# Altium PCB Deneigus.PcbDoc (continued)
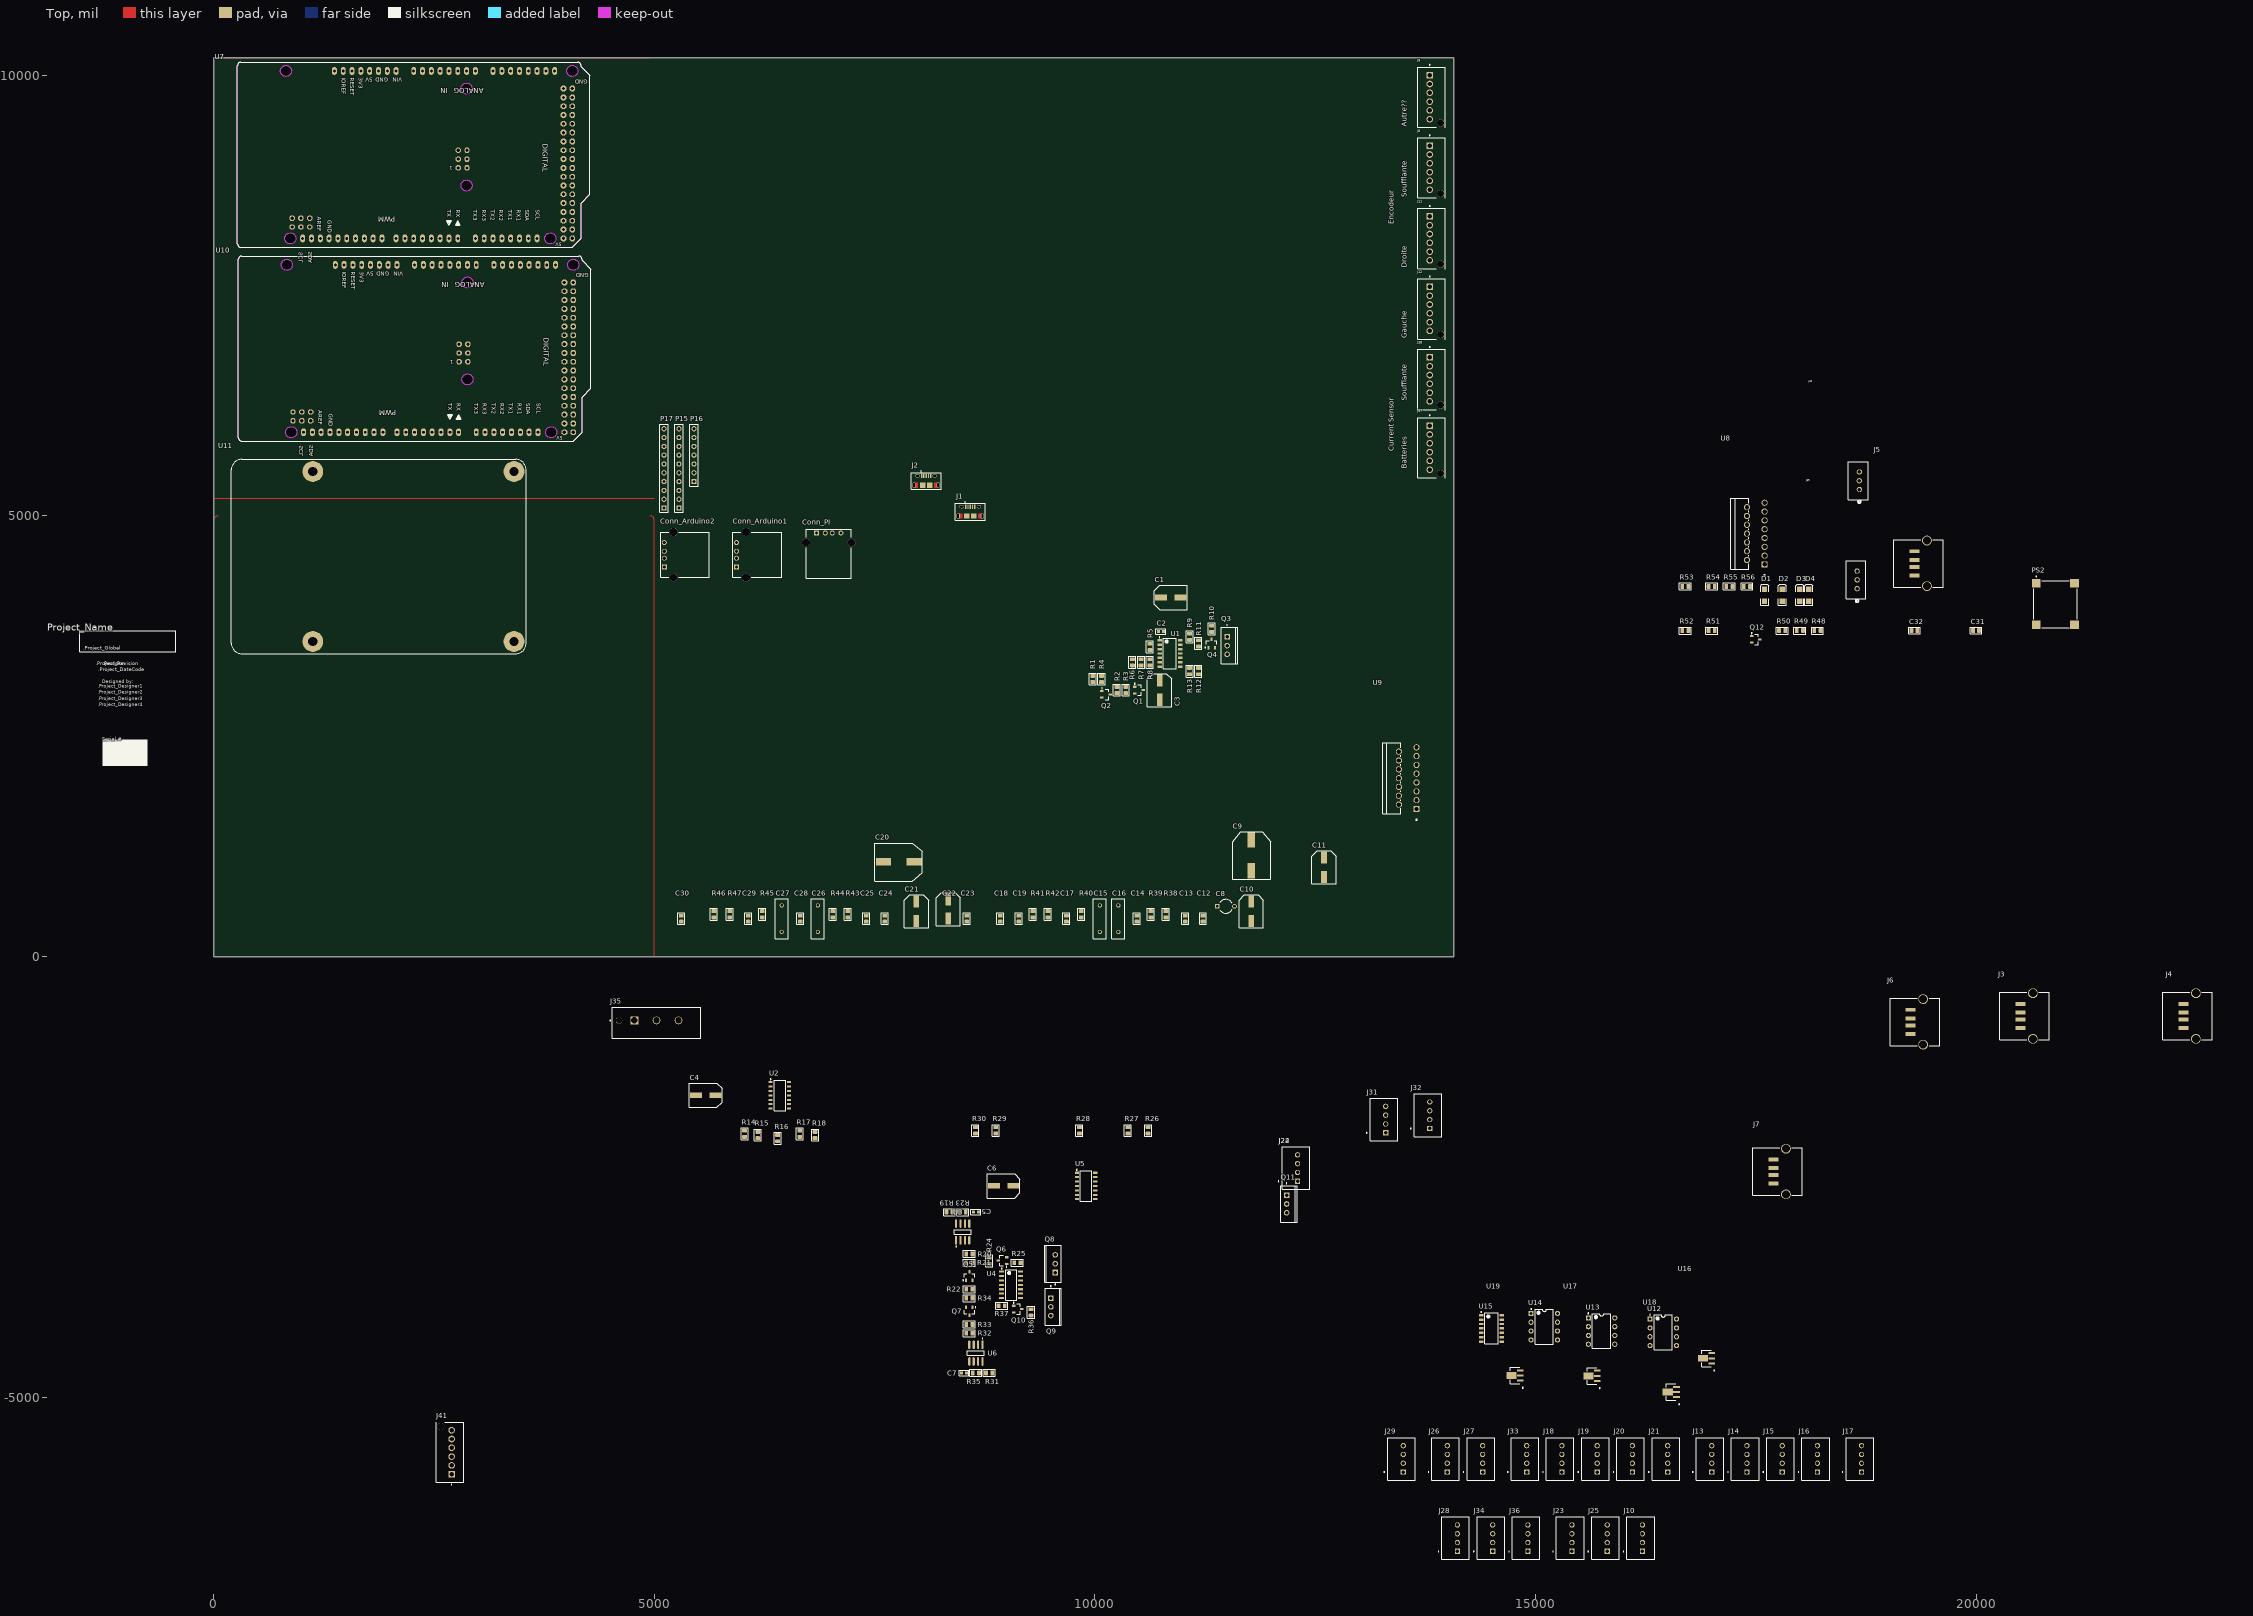
[diagram p0: Top view]
## Components (designator, comment, footprint, x,y, rotation, side; value= is the part's Value field where it differs from the comment)
C1 "CAP ALUM POLY 47UF 20% 16V SMD" 47uF 10970.47,4075 r180 top value=100µF
C2 "CAP - 0603" CAP_0603 10750,3689.5 r180 top value=100nF
C3 "CAP ALUM POLY 47UF 20% 16V SMD" 47uF 10733.86,2914.5 r90 top value=47µF
C4 "CAP ALUM POLY 47UF 20% 16V SMD" 47uF 5475,-1575 r0 top value=47µF
C5 "CAP - 0603" CAP_0603 8650,-2900 r180 top value=100nF
C6 "CAP ALUM POLY 47UF 20% 16V SMD" 47uF 8854.53,-2603.23 r0 top value=47µF
C7 "CAP - 0603" CAP_0603 8514.5,-4725 r0 top value=100nF
C8 "Cap2" CAPR5-4X5 11485.97,570 r0 top value=3300µF
C9 "CAP ALUM POLY 47UF 20% 16V SMD" "330uF (10.3x10.3mm)" 11775,974.61 r90 top value="330 µF"
C10 "CAP ALUM POLY 47UF 20% 16V SMD" 47uF 11775,404.53 r90 top value=100µF
C11 "CAP ALUM POLY 47UF 20% 16V SMD" 47uF 12600,904.53 r90 top value=100µF
C12 "Cap" CAP_0805 11225.97,430 r90 top value=330nF
C13 "Cap" CAP_0805 11025.97,430 r90 top value=2.2µF
C14 "Cap" CAP_0805 10475.97,430 r90 top value=2.2nF
C15 "Cap" RAD-0.3 10055.97,430 r90 top value=22nF
C16 "Cap" RAD-0.3 10265.97,430 r90 top value=22nF
C17 "Cap" CAP_0805 9675.97,430 r90 top value=2.2µF
C18 "Cap" CAP_0805 8925.97,430 r90 top value=2.2µF
C19 "Cap" CAP_0805 9135.97,430 r90 top value=2.2µF
C20 "CAP ALUM POLY 47UF 20% 16V SMD" "330uF (10.3x10.3mm)" 7600,1075 r0 top value="330 µF"
C21 "CAP ALUM POLY 47UF 20% 16V SMD" 47uF 7975,404.53 r90 top value=100µF
C22 "CAP ALUM POLY 47UF 20% 16V SMD" 47uF 8335.97,430 r90 top value=100µF
C23 "Cap" CAP_0805 8545.97,430 r90 top value=330nF
C24 "Cap" CAP_0805 7615.97,430 r90 top value=2.2µF
C25 "Cap" CAP_0805 7405.97,430 r90 top value=2.2nF
C26 "Cap" RAD-0.3 6855.97,430 r90 top value=22nF
C27 "Cap" RAD-0.3 6445.97,430 r90 top value=22nF
C28 "Cap" CAP_0805 6655.97,430 r90 top value=2.2µF
C29 "Cap" CAP_0805 6065.97,430 r90 top value=2.2µF
C30 "Cap" CAP_0805 5305.97,430 r90 top value=2.2µF
C31 "CAP - 0805" CAP_0805 20000,3700 r0 top
C32 "CAP - 0805" CAP_0805 19300,3700 r0 top
Conn_Arduino1 "USB-A1HSW6" OST_USB-A1HSW6 6190,4560 r90 top
Conn_Arduino2 "USB-A1HSW6" OST_USB-A1HSW6 5370,4560 r90 top
Conn_PI "USB-A1HSW6" OST_USB-A1HSW6 6980,4550 r0 top
D1 "LED2" 3.2X1.6X1.1 17600,4100 r90 top
D2 "LED2" 3.2X1.6X1.1 17800,4100 r90 top
D3 "LED2" 3.2X1.6X1.1 18000,4100 r90 top
D4 "LED2" 3.2X1.6X1.1 18100,4100 r90 top
J1 "10118194-0001LF" CON_USB_10118194-0001LF 8585.63,5000 r0 top value="USB - Micro B"
J2 "10118194-0001LF" CON_USB_10118194-0001LF 8085.63,5350 r0 top value="USB - Micro B"
J3 "87583-2010BLF" Conn_USB-87583_AMP 20550,-675 r90 top
J4 "87583-2010BLF" Conn_USB-87583_AMP 22400,-675 r90 top
J5 "87583-2010BLF" Conn_USB-87583_AMP 19348.09,4461.89 r90 top
J6 "87583-2010BLF" Conn_USB-87583_AMP 19306.01,-741.66 r90 top
J7 "87583-2010BLF" Conn_USB-87583_AMP 17748.09,-2439.69 r90 top
J8 "2-644486-6" TE_2-644486-6 13800,9202.16 r270 top
J9 "2-644486-6" TE_2-644486-6 13800,10002.16 r270 top
J10 "2-644861-4" TE_2-644861-4 16214.17,-6600 r90 top
J11 "2-644486-6" TE_2-644486-6 13800,8400 r270 top
J12 "2-644486-6" TE_2-644486-6 13800,7600 r270 top
J13 "2-644861-4" TE_2-644861-4 17000,-5700 r90 top
J14 "2-644861-4" TE_2-644861-4 17400,-5700 r90 top
J15 "2-644861-4" TE_2-644861-4 17800,-5700 r90 top
J16 "2-644861-4" TE_2-644861-4 18200,-5700 r90 top
J17 "2-644861-4" TE_2-644861-4 18700,-5700 r90 top
J18 "2-644861-4" TE_2-644861-4 15300,-5700 r90 top
J19 "2-644861-4" TE_2-644861-4 15700,-5700 r90 top
J20 "2-644861-4" TE_2-644861-4 16100,-5700 r90 top
J21 "2-644861-4" TE_2-644861-4 16500,-5700 r90 top
J22 "2-644861-4" TE_2-644861-4 12300,-2400 r90 top
J23 "2-644861-4" TE_2-644861-4 15414.17,-6600 r90 top
J24 "2-644861-4" TE_2-644861-4 12300,-2400 r90 top
J25 "2-644861-4" TE_2-644861-4 15814.17,-6600 r90 top
J26 "2-644861-4" TE_2-644861-4 14000,-5700 r90 top
J27 "2-644861-4" TE_2-644861-4 14400,-5700 r90 top
J28 "2-644861-4" TE_2-644861-4 14114.17,-6600 r90 top
J29 "2-644861-4" TE_2-644861-4 13500,-5700 r90 top
J31 "2-644861-4" TE_2-644861-4 13300,-1850 r90 top
J32 "2-644861-4" TE_2-644861-4 13800,-1800 r90 top
J33 "2-644861-4" TE_2-644861-4 14900,-5700 r90 top
J34 "2-644861-4" TE_2-644861-4 14514.17,-6600 r90 top
J35 "1-641966-1" TE_1-641966-1 4775,-725 r0 top
J36 "2-644861-4" TE_2-644861-4 14914.17,-6600 r90 top
J37 "2-644486-6" TE_2-644486-6 13800,6025 r270 top
J38 "2-644486-6" TE_2-644486-6 13800,6800 r270 top
J39 "5-103414-1" CONN_5-103414-1_TYCO 18650,4175 r90 top
J40 "5-103414-1" CONN_5-103414-1_TYCO 18675.5,5300 r90 top
J41 "2-644486-6" TE_2-644486-6 2700,-5874.68 r90 top
P15 "Header 10" HDR1X10 5280,5090 r90 top
P16 "Header 7" HDR1X7 5450,5390 r90 top
P17 "Header 10" HDR1X10 5110,5090 r90 top
PS2 "VXO7805-500-M" CONV_VXO7805-500-M 20900,4000 r0 top
Q1 "TRANS PNP 40V 0.2A SOT23" SOT-23 10500,3025 r0 top
Q2 "TRANS NPN 40V 0.2A SOT23" SOT-23 10127.24,2975 r0 top
Q3 "IRF520NPBF" INTR-TO-220AB-3 11500,3529 r0 top
Q4 "TRANS NPN 40V 0.2A SOT23" SOT-23 11325,3554 r90 top
Q5 "TRANS NPN 40V 0.2A SOT23" SOT-23 8575,-3625 r90 top
Q6 "TRANS NPN 40V 0.2A SOT23" SOT-23 8950,-3450 r180 top
Q7 "TRANS NPN 40V 0.2A SOT23" SOT-23 8575,-4025 r270 top
Q8 "IRF520NPBF" INTR-TO-220AB-3 9550,-3485.5 r180 top
Q9 "IRF520NPBF" INTR-TO-220AB-3 9500,-3975 r0 top
Q10 "TRANS NPN 40V 0.2A SOT23" SOT-23 9125,-4000 r0 top
Q11 "IRF520NPBF" INTR-TO-220AB-3 12175,-2807.87 r0 top
Q12 "TRANS NPN 40V 0.2A SOT23" SOT-23 17500,3600 r0 top
R1 "Res1" RES_0805 9975,3150 r90 top value=???
R2 "Res1" RES_0805 10250,3025 r270 top value=1K
R3 "Res1" RES_0805 10350,3025 r90 top value=1K
R4 "Res1" RES_0805 10075,3150 r270 top value=???
R5 "Res1" RES_0805 10625,3514.5 r270 top value=1K
R6 "Res1" RES_0805 10425,3339.5 r270 top value=15K
R7 "Res1" RES_0805 10525,3339.5 r270 top value=1K
R8 "Res1" RES_0805 10625,3339.5 r90 top value=???
R9 "Res1" RES_0805 11075,3629 r90 top value=1K
R10 "Res1" RES_0805 11325,3718.5 r90 top value=10K
R11 "Res1" RES_0805 11175,3554 r270 top value=10K
R12 "Res1" RES_0805 11175,3239.5 r270 top value=30k
R13 "Res1" RES_0805 11075,3239.5 r90 top value=10k
R14 "Res1" RES_0805 6025,-2010.5 r90 top value=15K
R15 "Res1" RES_0805 6175,-2025 r90 top value=10K
R16 "Res1" RES_0805 6400,-2060.5 r90 top value=15K
R17 "Res1" RES_0805 6650,-2010.5 r90 top value=9K
R18 "Res1" RES_0805 6825,-2025 r90 top value=1K
R19 "Res1" RES_0805 8350,-2900 r180 top value=3K
R20 "Res1" RES_0805 8575,-3375 r0 top value=1k
R21 "Res1" RES_0805 8575,-3475 r0 top value=1k
R22 "Res1" RES_0805 8575,-3775 r0 top value=1k
R23 "Res1" RES_0805 8500,-2900 r180 top value=3K
R24 "Res1" RES_0805 8800,-3450 r90 top value=1k
R25 "Res1" RES_0805 9119.49,-3475 r180 top value=220
R26 "Res1" RES_0805 10604.53,-1973.23 r90 top value=10K
R27 "Res1" RES_0805 10374.53,-1973.23 r90 top value=15K
R28 "Res1" RES_0805 9824.53,-1973.23 r90 top value=15K
R29 "Res1" RES_0805 8874.53,-1973.23 r90 top value=9K
R30 "Res1" RES_0805 8644.53,-1973.23 r90 top value=1K
R31 "Res1" RES_0805 8800,-4725 r0 top value=3K
R32 "Res1" RES_0805 8575,-4275 r180 top value=1k
R33 "Res1" RES_0805 8575,-4175 r180 top value=1k
R34 "Res1" RES_0805 8575,-3875 r0 top value=1k
R35 "Res1" RES_0805 8650,-4725 r0 top value=3K
R36 "Res1" RES_0805 9275,-4037.4 r270 top value=1k
R37 "Res1" RES_0805 8942.72,-3962.6 r0 top value=220
R38 "Res1" RES_0805 10805.97,480 r90 top value=16.2k
R39 "Res1" RES_0805 10635.97,480 r90 top value=4.53k
R40 "Res1" RES_0805 9845.97,480 r90 top value=30.1k
R41 "Res1" RES_0805 9295.97,480 r90 top value=10k
R42 "Res1" RES_0805 9465.97,480 r90 top value=10k
R43 "Res1" RES_0805 7195.97,480 r90 top value=16.2k
R44 "Res1" RES_0805 7025.97,480 r90 top value=1.69k
R45 "Res1" RES_0805 6225.97,480 r90 top value=30.1k
R46 "Res1" RES_0805 5675.97,480 r90 top value=15k
R47 "Res1" RES_0805 5855.97,480 r90 top value=10k
R48 "Res1" RES_0805 18200,3700 r0 top value=1K
R49 "Res1" RES_0805 18000,3700 r0 top value=10K
R50 "Res1" RES_0805 17800,3700 r0 top value=1K
R51 "Res1" RES_0805 17000,3700 r0 top value=10K
R52 "Res1" RES_0805 16700,3700 r0 top value=10K
R53 "Res1" RES_0805 16700,4200 r0 top value=150
R54 "Res1" RES_0805 17000,4200 r0 top value=150
R55 "Res1" RES_0805 17200,4200 r0 top value=84.5
R56 "Res1" RES_0805 17400,4200 r0 top value=84.5
U1 "LM339" SOP14 10850,3439.5 r0 top
U2 "LM324DR2G" ONSC-SOIC-14-751A-03_V 6425,-1575 r0 top
U3 "NE555DR" FP-D0008A-IPC_A 8500,-3125 r90 top
U4 "IC FF JK TYPE DUAL 1BIT 14SOIC" SOIC127P600X175-14N 9050,-3725 r0 top
U5 "LM324DR2G" ONSC-SOIC-14-751A-03_V 9899.8,-2603.23 r0 top
U6 "NE555DR" FP-D0008A-IPC_A 8650,-4500 r270 top
U7 "Arduino_Mega" Arduino_Mega 270,8043.7 r0 top
U8 "L4970A" Multiwatt15_V_STM 17600,4450 r90 top
U9 "L4970A" Multiwatt15_V_STM 13650,1675 r90 top
U10 "Arduino_Mega" Arduino_Mega 279.85,5843.7 r0 top
U11 "Raspberry PI 4" "Raspberry Pi 4" 3408.46,5504.13 r180 top
U12 "ILD74" VISH-DIP8 16450,-4264.17 r0 top
U13 "ILD74" VISH-DIP8 15750,-4250 r0 top
U14 "ILD74" VISH-DIP8 15100,-4200 r0 top
U15 "LM339" SOP14 14500,-4219.68 r0 top
U16 "ZXMN6A07ZTA" SOT4_DXT2222A_DIO 16940.5,-4559 r90 top
U17 "ZXMN6A07ZTA" SOT4_DXT2222A_DIO 15640.5,-4759 r90 top
U18 "ZXMN6A07ZTA" SOT4_DXT2222A_DIO 16540.5,-4941 r90 top
U19 "ZXMN6A07ZTA" SOT4_DXT2222A_DIO 14766.47,-4754 r90 top

## Footprints (in the part's own frame and the unit in brackets; to place one, negate y for a bottom-side part, rotate by r counter-clockwise, add the part's x,y. Pads: shape width x height; smd on the part's side, far side on the other; paste and mask are expansions set on the pad)
3.2X1.6X1.1 [mm] "SMT LED; 2 Flat Leads"
  rect 1.5x1.5 smd: 1(-1.75,0) 2(1.75,0)
  silkscreen extent -2.9,-1.15 3.2,1.15
47uF [mm] "CAP ALUM POLY 47UF 20% 16V SMD"
  rect 3.5x1.6 all layers, no hole: 1(5.6,0) 2(0,0)
  silkscreen extent -2,-3.5 7.5,3.5
"330uF (10.3x10.3mm)" [mm]
  rect 4.4x2.2 all layers, no hole: 1(8.9,0) 2(0,0)
  silkscreen extent -2.5,-5.6 11.2,5.4
Arduino_Mega [mil]
  oval 56x89.6 hole 33.46: 1(1100,2006.3) 2(1200,2006.3) 3(1300,2006.3) 4(1400,2006.3) 5(1500,2006.3) 6(1600,2006.3) 7(1700,2006.3) 8(1800,2006.3) 9(2000,2006.3) 10(2100,2006.3) 11(2200,2006.3) 12(2300,2006.3) 13(2400,2006.3) 14(2500,2006.3) 15(2600,2006.3) 16(2700,2006.3) 17(2900,2006.3) 18(3000,2006.3) 19(3100,2006.3) 20(3200,2006.3) 21(3300,2006.3) 22(3400,2006.3) 23(3500,2006.3) 24(3600,2006.3) 61(3400,106.3) 62(3300,106.3) 63(3200,106.3) 64(3100,106.3) 65(3000,106.3) 66(2900,106.3) 67(2800,106.3) 68(2700,106.3) 69(2500,106.3) 70(2400,106.3) 71(2300,106.3) 72(2200,106.3) 73(2100,106.3) 74(2000,106.3) 75(1900,106.3) 76(1800,106.3) 77(1640,106.3) 78(1540,106.3) 79(1440,106.3) 80(1340,106.3) 81(1240,106.3) 82(1140,106.3) 83(1040,106.3) 84(940,106.3) 85(840,106.3) 86(740,106.3)
  oct 66x66 / inner round 60.98 / far side oct 66x66 hole 37.4: 25(3700,106.3) 26(3800,106.3) 27(3700,206.3) 28(3800,206.3) 29(3700,306.3) 30(3800,306.3) 31(3700,406.3) 32(3800,406.3) 33(3700,506.3) 34(3800,506.3) 35(3700,606.3) 36(3800,606.3) 37(3700,706.3) 38(3800,706.3) 39(3700,806.3) 40(3800,806.3) 41(3700,906.3) 42(3800,906.3) 43(3700,1006.3) 44(3800,1006.3) 45(3700,1106.3) 46(3800,1106.3) 47(3700,1206.3) 48(3800,1206.3) 49(3700,1306.3) 50(3800,1306.3) 51(3700,1406.3) 52(3800,1406.3) 53(3700,1506.3) 54(3800,1506.3) 55(3700,1606.3) 56(3800,1606.3) 57(3700,1706.3) 58(3800,1706.3) 59(3700,1806.3) 60(3800,1806.3)
  oct 61.02x61.02 / inner round 56.38 / far side oct 61.02x61.02 hole 37.4: 87(820,236.3) 88(820,336.3) 89(720,236.3) 90(720,336.3) 91(620,236.3) 92(620,336.3) 93(2505,906.3) 94(2605,906.3) 95(2505,1006.3) 96(2605,1006.3) 97(2505,1106.3) 98(2605,1106.3)
  round 125.98 hole 125.98 unplated: MH1(3800,2006.3) MH2(600,106.3) MH3(3550,106.3) MH4(550,2006.3) MH5(2600,706.3) MH6(2600,1806.3)
  Top lines w8: 940,106.3 940,136.3 ; 1240,106.3 1250,131.3 ; 1540,106.3 1540,131.3 ; 1795,106.3 1800,106.3 ; 2300,106.3 2300,116.3 ; 2400,106.3 2400,116.3 ; 3670,206.3 3700,206.3
  Bottom lines w8: 2300,1982.3 2304,1986.3 2304,1994.3 2300,1998.3 2300,2006.3 ; 2400,2006.3 2400,2010.3
  Bottom lines w32: 3690,1796.3 3700,1806.3
  Bottom lines w50: 820,336.3 825,341.3
  Keep-Out Layer board cut-out: 600,169.29 624.11,164.49 644.54,150.84 658.2,130.4 662.99,106.3 662.99,106.3 658.2,82.19 644.54,61.76 624.11,48.1 600,43.31 600,43.31 575.89,48.1 555.46,61.76 541.8,82.19 537.01,106.3 537.01,106.3 541.8,130.4 555.46,150.84 575.89,164.49 600,169.29
  Keep-Out Layer board cut-out: 2600,769.29 2624.11,764.49 2644.54,750.84 2658.2,730.4 2662.99,706.3 2662.99,706.3 2658.2,682.19 2644.54,661.76 2624.11,648.1 2600,643.31 2600,643.31 2575.89,648.1 2555.46,661.76 2541.8,682.19 2537.01,706.3 2537.01,706.3 2541.8,730.4 2555.46,750.84 2575.89,764.49 2600,769.29
  Keep-Out Layer board cut-out: 3550,169.29 3574.11,164.49 3594.54,150.84 3608.2,130.4 3612.99,106.3 3612.99,106.3 3608.2,82.19 3594.54,61.76 3574.11,48.1 3550,43.31 3550,43.31 3525.89,48.1 3505.46,61.76 3491.8,82.19 3487.01,106.3 3487.01,106.3 3491.8,130.4 3505.46,150.84 3525.89,164.49 3550,169.29
  Keep-Out Layer board cut-out: 550,2069.29 574.11,2064.49 594.54,2050.84 608.2,2030.4 612.99,2006.3 612.99,2006.3 608.2,1982.19 594.54,1961.76 574.11,1948.1 550,1943.31 550,1943.31 525.89,1948.1 505.46,1961.76 491.8,1982.19 487.01,2006.3 487.01,2006.3 491.8,2030.4 505.46,2050.84 525.89,2064.49 550,2069.29
  Keep-Out Layer board cut-out: 2600,1869.29 2624.11,1864.49 2644.54,1850.84 2658.2,1830.4 2662.99,1806.3 2662.99,1806.3 2658.2,1782.19 2644.54,1761.76 2624.11,1748.1 2600,1743.31 2600,1743.31 2575.89,1748.1 2555.46,1761.76 2541.8,1782.19 2537.01,1806.3 2537.01,1806.3 2541.8,1830.4 2555.46,1850.84 2575.89,1864.49 2600,1869.29
  Keep-Out Layer board cut-out: 3800,2069.29 3824.11,2064.49 3844.54,2050.84 3858.2,2030.4 3862.99,2006.3 3862.99,2006.3 3858.2,1982.19 3844.54,1961.76 3824.11,1948.1 3800,1943.31 3800,1943.31 3775.89,1948.1 3755.46,1961.76 3741.8,1982.19 3737.01,2006.3 3737.01,2006.3 3741.8,2030.4 3755.46,2050.84 3775.89,2064.49 3800,2069.29
  Keep-Out Layer lines w10: 0,45.67 ccw(c39.37,45.67) 39.37,6.3 3800,6.3 3900,106.3 3900,506.3 4000,606.3 4000,1956.3 3900,2056.3 3900,2066.93 ccw(c3860.63,2066.93) 3860.63,2106.3 39.37,2106.3 ccw(c39.37,2066.93) 0,2066.93 0,45.67
  silkscreen extent 0,6 4000,2106, body extent -266,1 3998,2099, height 572
CAP_0603 [mil]
  rrect35% 35x34 smd: 1(-29.5,0) 2(29.5,0)
  silkscreen extent -57,-30 57,30, body extent -32,-16 31,16, height 35
CAP_0805 [mil]
  rrect37% 43x55 smd: 1(-33.5,0) 2(33.5,0)
  silkscreen extent -66,-38 66,38, body extent -39,-24 40,25, height 49
CAPR5-4X5 [mm] "Capacitor; 2 Leads"
  rect 1.35x1.35 hole 0.8: 1(-2.5,0)
  round 1.35 hole 0.8: 2(2.5,0)
  silkscreen extent -1.69,-2 1.82,2
CON_USB_10118194-0001LF [mm]
  rrect50% 0.4x1.35 smd paste+0 mask+0.05: 1(-1.3,2.7) 2(-0.65,2.7) 3(0,2.7) 4(0.65,2.7) 5(1.3,2.7)
  rrect100% 1.25x0.95 hole 0.55 slot 0.85 at 0 deg mask+0.05: 6(2.5,2.7) 11(-2.5,2.7)
  rrect100% 0.95x1.55 hole 0.5 slot 1.15 at 90 deg mask+0.05: 7(3.5,0) 10(-3.5,0)
  rect 1.5x1.55 smd paste+0 mask+0.05: 8(1,0) 9(-1,0)
  Top region: 2.3,-0.775 3.5,-0.775 3.5,0.775 2.3,0.775
  Top region: -2.3,0.775 -3.5,0.775 -3.5,-0.775 -2.3,-0.775
  silkscreen extent -4.3,-1.2 4.3,4.11, body extent -4.03,-2.69 4.02,2.89, height 2.72
CONN_5-103414-1_TYCO [mil]
  round 60 hole 40 mask+0: 1(0,0) 2(100,0) 3(200,0)
  silkscreen extent -155,-99 315,125, body extent 0,0 10,10, height 10
Conn_USB-87583_AMP [mm]
  rect 1.12x2.88 smd: 1(-3.492,1.221) 2(-0.992,1.221) 3(1.008,1.221) 4(3.508,1.221)
  round 2.819 hole 2.311: 6(-6.562,-2.387) 7(6.578,-2.387)
  silkscreen extent -6.84,-7.11 6.86,7.14, body extent 0,0 0.25,0.25, height 0.25
CONV_VXO7805-500-M [mm]
  rect 2.5x2.5 smd: 1(-5.5,6) 2(5.5,6) 3(5.5,-6) 4(-5.5,-6)
  silkscreen extent -6.25,-6.75 6.25,8.1, body extent -6.25,-6.75 6.25,6.75, height 2.1
FP-D0008A-IPC_A [mil]
  rect 97.21x24.49 smd paste+0 mask+0: 1(-95.02,75)
  rrect100% 97.21x24.49 smd paste+0 mask+0: 2(-95.02,25) 3(-95.02,-25) 4(-95.02,-75) 5(95.02,-75) 6(95.02,-25) 7(95.02,25) 8(95.02,75)
  silkscreen extent -170,-97 27,97, body extent -163,-116 163,116, height 10
HDR1X7 [mm] "Connector; Header; 7 Position"
  rect 1.5x1.5 hole 0.9: 1(0,0)
  round 1.5 hole 0.9: 2(2.54,0) 3(5.08,0) 4(7.62,0) 5(10.16,0) 6(12.7,0) 7(15.24,0)
  silkscreen extent -1.27,-1.27 16.51,1.27
HDR1X10 [mm] "Connector; Header; 10 Position"
  rect 1.5x1.5 hole 0.9: 1(0,0)
  round 1.5 hole 0.9: 2(2.54,0) 3(5.08,0) 4(7.62,0) 5(10.16,0) 6(12.7,0) 7(15.24,0) 8(17.78,0) 9(20.32,0) 10(22.86,0)
  silkscreen extent -1.27,-1.27 24.13,1.27
INTR-TO-220AB-3 [mm] "FM, 3-Leads, Body 10.55x4.7mm, Pitch 2.54mm"
  rect 1.6x1.6 hole 1: 1(0,2.54)
  round 1.6 hole 1: 2(0,0) 3(0,-2.54)
  silkscreen extent -1.67,-5.3 3.03,6.07, body extent -1.67,-5.28 3.03,5.28, height 19.3
Multiwatt15_V_STM [mil]
  rect 70x70 hole 50 mask+0: 1(0,0)
  round 70 hole 50 mask+0: 2(50,200) 3(100,0) 4(150,200) 5(200,0) 6(250,200) 7(300,0) 8(350,200) 9(400,0) 10(450,200) 11(500,0) 12(550,200) 13(600,0) 14(650,200) 15(700,0)
  silkscreen extent -130,-8 752,386, body extent 0,0 10,10, height 10
ONSC-SOIC-14-751A-03_V [mm] "SOIC, 14-Leads, Body 8.75x4mm, Pitch 1.27mm"
  rect 1.18x0.58 smd: 1(-2.66,3.81) 2(-2.66,2.54) 3(-2.66,1.27) 4(-2.66,0) 5(-2.66,-1.27) 6(-2.66,-2.54) 7(-2.66,-3.81) 8(2.66,-3.81) 9(2.66,-2.54) 10(2.66,-1.27) 11(2.66,0) 12(2.66,1.27) 13(2.66,2.54) 14(2.66,3.81)
  silkscreen extent -2.78,-4.38 1.67,4.77, body extent -2,-4.38 2,4.38, height 1.75
OST_USB-A1HSW6 [mm]
  rect 1.428x1.428 hole 0.92: 1(-3.5,6.51)
  round 1.428 hole 0.92: 2(-1,6.51) 3(1,6.51) 4(3.5,6.51)
  round 2.3 hole 2.3 unplated: ""(-6.57,3.8) ""(6.57,3.8)
  silkscreen extent -6.55,-6.5 6.55,7.6
RAD-0.3 [mm] "Radial Cap, Thru-Hole; 2 Leads; 0.3 in Pin Spacing"
  round 1.2 hole 0.7: 1(-3.81,0) 2(3.81,0)
  silkscreen extent -5.71,-1.91 5.71,1.91
"Raspberry Pi 4" [mm]
  round 6 hole 2.7: 0(0,49) 0(0,0) 0(58,49) 0(58,0)
  silkscreen extent -3.5,-3.5 81.5,52.5, body extent -3.5,-5.9 85.49,52.5, height 17
RES_0805 [mil]
  rrect37% 43x55 smd: 1(-35.5,0) 2(35.5,0)
  silkscreen extent -68,-40 68,40, body extent -45,-27 45,27, height 30
SOIC127P600X175-14N [mm] "SOIC, 14-Leads, Body 8.65x3.90mm, Pitch 1.27mm, IPC Medium Density"
  rect 1.45x0.6 smd: 1(-2.725,3.81) 2(-2.725,2.54) 3(-2.725,1.27) 4(-2.725,0) 5(-2.725,-1.27) 6(-2.725,-2.54) 7(-2.725,-3.81) 8(2.725,-3.81) 9(2.725,-2.54) 10(2.725,-1.27) 11(2.725,0) 12(2.725,1.27) 13(2.725,2.54) 14(2.725,3.81)
  silkscreen extent -2.85,-4.4 1.6,4.78, body extent -3,-4.4 3,4.4, height 1.75
SOP14 [mm] "SOP14 pour LM339"
  rect 1.3x0.7 smd: 1(-2.95,3.81) 2(-2.95,2.54) 3(-2.95,1.27) 4(-2.95,0) 5(-2.95,-1.27) 6(-2.95,-2.54) 7(-2.95,-3.81) 8(2.95,-3.81) 9(2.95,-2.54) 10(2.95,-1.27) 11(2.95,0) 12(2.95,1.27) 13(2.95,2.54) 14(2.95,3.81)
  silkscreen extent -3.07,-4.45 1.9,4.83, body extent -3.1,-4.45 3.1,4.45, height 1.5
SOT4_DXT2222A_DIO [mil]
  rect 23x75 smd paste+0 mask+0: 1(-59,-59.5) 2(0,-59.5) 3(59,-59.5)
  rect 76x115 smd paste+0 mask+0: 4(0,39.5)
  silkscreen extent -143,-94 94,54, body extent 0,0 10,10, height 10
SOT-23 [mm] "SOT23, 3-Leads, Body 2.90x2.45mm, Pitch 0.95mm, IPC Medium Density"
  rect 1x0.6 smd: 1(-1.2,0.95) 2(-1.2,-0.95) 3(1.2,0)
  silkscreen extent -1.32,-1.5 0.7,1.92, body extent -0.7,-1.5 0.7,1.5, height 1.1
TE_1-641966-1 [mm]
  rect 2.21x2.21 hole 1.86: 1(0,0)
  round 2.21 hole 1.86: 2(6.35,0) 3(12.7,0)
  round 1.86 hole 1.86 unplated: ""(-4.45,0)
  silkscreen extent -7.1,-5.08 19.05,3.81
TE_2-644486-6 [mm]
  rect 1.905x1.905 hole 1.27: 1(0,0)
  round 1.905 hole 1.27: 2(2.54,0) 3(5.08,0) 4(7.62,0) 5(10.16,0) 6(12.7,0)
  round 2.06 hole 2.06 unplated: ""(13.77,3.15)
  silkscreen extent -3.1,-3.48 15.04,4.47
TE_2-644861-4 [mil]
  rect 60x60 hole 40: 1(-150,0)
  round 60 hole 40: 2(-50,0) 3(50,0) 4(150,0)
  silkscreen extent -242,-137 242,219, body extent -242,-136 242,177, height 410
VISH-DIP8 [mm] "DIP, 8-Leads, Body 9.9x6.8mm, Pitch 2.54mm"
  rect 1.5x1.5 hole 0.9: 1(-3.81,3.81)
  round 1.5 hole 0.9: 2(-3.81,1.27) 3(-3.81,-1.27) 4(-3.81,-3.81) 5(3.81,-3.81) 6(3.81,-1.27) 7(3.81,1.27) 8(3.81,3.81)
  silkscreen extent -3.93,-5 2.65,5.23, body extent -3.95,-4.95 3.95,4.95, height 4.58


## Text inside footprints (layer, text, board x,y; h text height)
U10: Top Overlay "TX" at 2661.74,6276.77 h47.6 r270; Top Overlay "TX2" at 3153.86,6276.77 h47.6 r270; Top Overlay "RX2" at 3252.29,6276.77 h47.6 r270; Top Overlay "TX1" at 3350.71,6276.77 h47.6 r270; Top Overlay "RX1" at 3449.14,6276.77 h47.6 r270; Top Overlay "SDA" at 3547.56,6276.77 h47.6 r270; Top Overlay "RX3" at 3055.44,6276.77 h47.6 r270; Top Overlay "TX3" at 2957.01,6276.77 h47.6 r270; Top Overlay "DIGITAL" at 3744.41,7024.8 h56.1 r270; Top Overlay "GND" at 4256.22,7753.15 h47.6 r180; Top Overlay "ANALOG   IN" at 3075.12,7654.72 h56.1 r180; Top Overlay "1" at 2720.79,6768.9 h42.5 r180; Top Overlay "PWM" at 2071.18,6198.03 h56.1 r180; Top Overlay "RX" at 2760.16,6276.77 h47.6 r270; Top Overlay "SCL" at 1018.68,5795.52 h47.6 r90; Top Overlay "AREF" at 1185.36,6198.03 h47.6 r270; Top Overlay "GND" at 1303.47,6158.66 h47.6 r270; Top Overlay "SDA" at 1128.68,5800.52 h47.6 r90; Top Overlay "SCL" at 3665.67,6276.77 h47.6 r270; Top Overlay "5V" at 3960.95,5902.76 h37.4 r180; Top Overlay "5V" at 1815.28,7772.83 h47.6 r180; Top Overlay "VIN" at 2149.92,7772.83 h47.6 r180; Top Overlay "GND" at 1992.44,7772.83 h47.6 r180; Top Overlay "IOREF" at 1460.95,7772.83 h47.6 r270; Top Overlay "3V3" at 1657.8,7772.83 h47.6 r270; Top Overlay "RESET" at 1559.37,7772.83 h47.6 r270; Bottom Assembly (Mech20) "ON" at 3144.85,6460 h42.5 r180; Bottom Assembly (Mech20) "RX" at 1454.85,6625 h42.5 r180; Bottom Assembly (Mech20) "TX" at 1454.85,6535 h42.5 r180; Bottom Assembly (Mech20) "L" at 1474.85,6320 h42.5 r180; Bottom Assembly (Mech20) "PC2" at 1224.85,7605 h42.5 r180; Bottom Assembly (Mech20) "PC1" at 949.85,7610 h42.5 r180; Bottom Assembly (Mech20) "PC1" at 949.85,7610 h42.5 r180; Bottom Assembly (Mech20) "PC2" at 1224.85,7605 h42.5 r180; Bottom Assembly (Mech20) "L" at 1474.85,6320 h42.5 r180; Bottom Assembly (Mech20) "TX" at 1454.85,6535 h42.5 r180; Bottom Assembly (Mech20) "RX" at 1454.85,6625 h42.5 r180; Bottom Assembly (Mech20) "ON" at 3144.85,6460 h42.5 r180; Route Tool Path "52" at 3829.85,7575 h47.6 r180; Route Tool Path "50" at 3829.85,7475 h47.6 r180; Route Tool Path "48" at 3829.85,7375 h47.6 r180; Route Tool Path "46" at 3829.85,7275 h47.6 r180; Route Tool Path "34" at 3829.85,6675 h47.6 r180; Route Tool Path "36" at 3829.85,6775 h47.6 r180; Route Tool Path "30" at 3829.85,6475 h47.6 r180; Route Tool Path "32" at 3829.85,6575 h47.6 r180; Route Tool Path "38" at 3829.85,6875 h47.6 r180; Route Tool Path "40" at 3829.85,6975 h47.6 r180; Route Tool Path "44" at 3829.85,7175 h47.6 r180; Route Tool Path "42" at 3829.85,7075 h47.6 r180; Route Tool Path "37" at 4154.85,6775 h47.6 r180; Route Tool Path "35" at 4154.85,6675 h47.6 r180; Route Tool Path "33" at 4154.85,6575 h47.6 r180; Route Tool Path "31" at 4154.85,6475 h47.6 r180; Route Tool Path "51" at 4154.85,7475 h47.6 r180; Route Tool Path "53" at 4154.85,7575 h47.6 r180; Route Tool Path "45" at 4154.85,7175 h47.6 r180; Route Tool Path "49" at 4154.85,7375 h47.6 r180; Route Tool Path "43" at 4154.85,7075 h47.6 r180; Route Tool Path "39" at 4154.85,6875 h47.6 r180; Route Tool Path "41" at 4154.85,6975 h47.6 r180; Route Tool Path "47" at 4154.85,7275 h47.6 r180; Route Tool Path "7" at 2104.85,6075 h47.6 r90; Route Tool Path "6" at 2204.85,6075 h47.6 r90; Route Tool Path "5" at 2304.85,6075 h47.6 r90; Route Tool Path "3" at 2504.85,6075 h47.6 r90; Route Tool Path "0" at 2804.85,6075 h47.6 r90; Route Tool Path "1" at 2704.85,6075 h47.6 r90; Route Tool Path "2" at 2604.85,6075 h47.6 r90; Route Tool Path "4" at 2404.85,6075 h47.6 r90; Route Tool Path "28" at 3829.85,6375 h47.6 r180; Route Tool Path "26" at 3829.85,6275 h47.6 r180; Route Tool Path "24" at 3829.85,6175 h47.6 r180; Route Tool Path "22" at 3829.85,6075 h47.6 r180; Route Tool Path "2" at 2509.85,7765 h47.6 r90; Route Tool Path "3" at 2609.85,7765 h47.6 r90; Route Tool Path "0" at 2309.85,7765 h47.6 r90; Route Tool Path "1" at 2399.85,7765 h47.6 r90; Route Tool Path "19" at 3504.85,6110 h47.6 r90; Route Tool Path "20" at 3604.85,6110 h47.6 r90; Route Tool Path "17" at 3304.85,6110 h47.6 r90; Route Tool Path "21" at 3704.85,6110 h47.6 r90; Route Tool Path "18" at 3404.85,6110 h47.6 r90; Route Tool Path "16" at 3204.85,6110 h47.6 r90; Route Tool Path "15" at 3104.85,6110 h47.6 r90; Route Tool Path "14" at 3004.85,6110 h47.6 r90; Route Tool Path "8" at 1954.85,6075 h47.6 r90; Route Tool Path "13" at 1454.85,6125 h47.6 r90; Route Tool Path "12" at 1554.85,6125 h47.6 r90; Route Tool Path "11" at 1654.85,6125 h47.6 r90; Route Tool Path "9" at 1854.85,6075 h47.6 r90; Route Tool Path "10" at 1754.85,6125 h47.6 r90; Route Tool Path "9" at 3309.85,7765 h47.6 r90; Route Tool Path "10" at 3409.85,7765 h47.6 r90; Route Tool Path "11" at 3509.85,7765 h47.6 r90; Route Tool Path "8" at 3209.85,7765 h47.6 r90; Route Tool Path "13" at 3709.85,7765 h47.6 r90; Route Tool Path "12" at 3609.85,7765 h47.6 r90; Route Tool Path "14" at 3809.85,7765 h47.6 r90; Route Tool Path "15" at 3904.85,7765 h47.6 r90; Route Tool Path "5" at 2804.85,7765 h47.6 r90; Route Tool Path "6" at 2904.85,7765 h47.6 r90; Route Tool Path "7" at 3009.85,7765 h47.6 r90; Route Tool Path "4" at 2709.85,7765 h47.6 r90
U16: Route Tool Path "0.098in/2.489mm" at 16953,-4955 h25 r90; Route Tool Path "0.177in/4.496mm" at 16631.5,-4652.75 h25 r90; Route Tool Path "0.076in/1.93mm" at 16731.5,-4646.5 h25 r90; Route Tool Path "0.118in/2.997mm" at 17174.5,-4652.75 h25 r90; Route Tool Path "0.107in/2.718mm" at 16917.5,-4375.5 h25 r90; Route Tool Path "0.178in/4.521mm" at 16953,-4300.5 h25 r90; Route Tool Path "Alt 2 Padstyle: OX90Y60D30P" at 17512.5,-4896.5 h50 r90; Route Tool Path "Alt 1 Padstyle: OX60Y90D30P" at 17437.5,-4896.5 h50 r90; Route Tool Path "Bottom Padstyle: RX23Y75D0T" at 17362.5,-4896.5 h50 r90; Route Tool Path "Top Padstyle: RX76Y115D0T" at 17287.5,-4871.5 h50 r90
U17: Route Tool Path "0.098in/2.489mm" at 15653,-5155 h25 r90; Route Tool Path "0.177in/4.496mm" at 15331.5,-4852.75 h25 r90; Route Tool Path "0.076in/1.93mm" at 15431.5,-4846.5 h25 r90; Route Tool Path "0.118in/2.997mm" at 15874.5,-4852.75 h25 r90; Route Tool Path "0.107in/2.718mm" at 15617.5,-4575.5 h25 r90; Route Tool Path "0.178in/4.521mm" at 15653,-4500.5 h25 r90; Route Tool Path "Alt 2 Padstyle: OX90Y60D30P" at 16212.5,-5096.5 h50 r90; Route Tool Path "Alt 1 Padstyle: OX60Y90D30P" at 16137.5,-5096.5 h50 r90; Route Tool Path "Bottom Padstyle: RX23Y75D0T" at 16062.5,-5096.5 h50 r90; Route Tool Path "Top Padstyle: RX76Y115D0T" at 15987.5,-5071.5 h50 r90
U18: Route Tool Path "0.098in/2.489mm" at 16553,-5337 h25 r90; Route Tool Path "0.177in/4.496mm" at 16231.5,-5034.75 h25 r90; Route Tool Path "0.076in/1.93mm" at 16331.5,-5028.5 h25 r90; Route Tool Path "0.118in/2.997mm" at 16774.5,-5034.75 h25 r90; Route Tool Path "0.107in/2.718mm" at 16517.5,-4757.5 h25 r90; Route Tool Path "0.178in/4.521mm" at 16553,-4682.5 h25 r90; Route Tool Path "Alt 2 Padstyle: OX90Y60D30P" at 17112.5,-5278.5 h50 r90; Route Tool Path "Alt 1 Padstyle: OX60Y90D30P" at 17037.5,-5278.5 h50 r90; Route Tool Path "Bottom Padstyle: RX23Y75D0T" at 16962.5,-5278.5 h50 r90; Route Tool Path "Top Padstyle: RX76Y115D0T" at 16887.5,-5253.5 h50 r90
U19: Route Tool Path "0.098in/2.489mm" at 14778.97,-5150 h25 r90; Route Tool Path "0.177in/4.496mm" at 14457.47,-4847.75 h25 r90; Route Tool Path "0.076in/1.93mm" at 14557.47,-4841.5 h25 r90; Route Tool Path "0.118in/2.997mm" at 15000.47,-4847.75 h25 r90; Route Tool Path "0.107in/2.718mm" at 14743.47,-4570.5 h25 r90; Route Tool Path "0.178in/4.521mm" at 14778.97,-4495.5 h25 r90; Route Tool Path "Alt 2 Padstyle: OX90Y60D30P" at 15338.47,-5091.5 h50 r90; Route Tool Path "Alt 1 Padstyle: OX60Y90D30P" at 15263.47,-5091.5 h50 r90; Route Tool Path "Bottom Padstyle: RX23Y75D0T" at 15188.47,-5091.5 h50 r90; Route Tool Path "Top Padstyle: RX76Y115D0T" at 15113.47,-5066.5 h50 r90